# Altium PCB DM3390.PcbDoc (part 3 of 5) (continued)
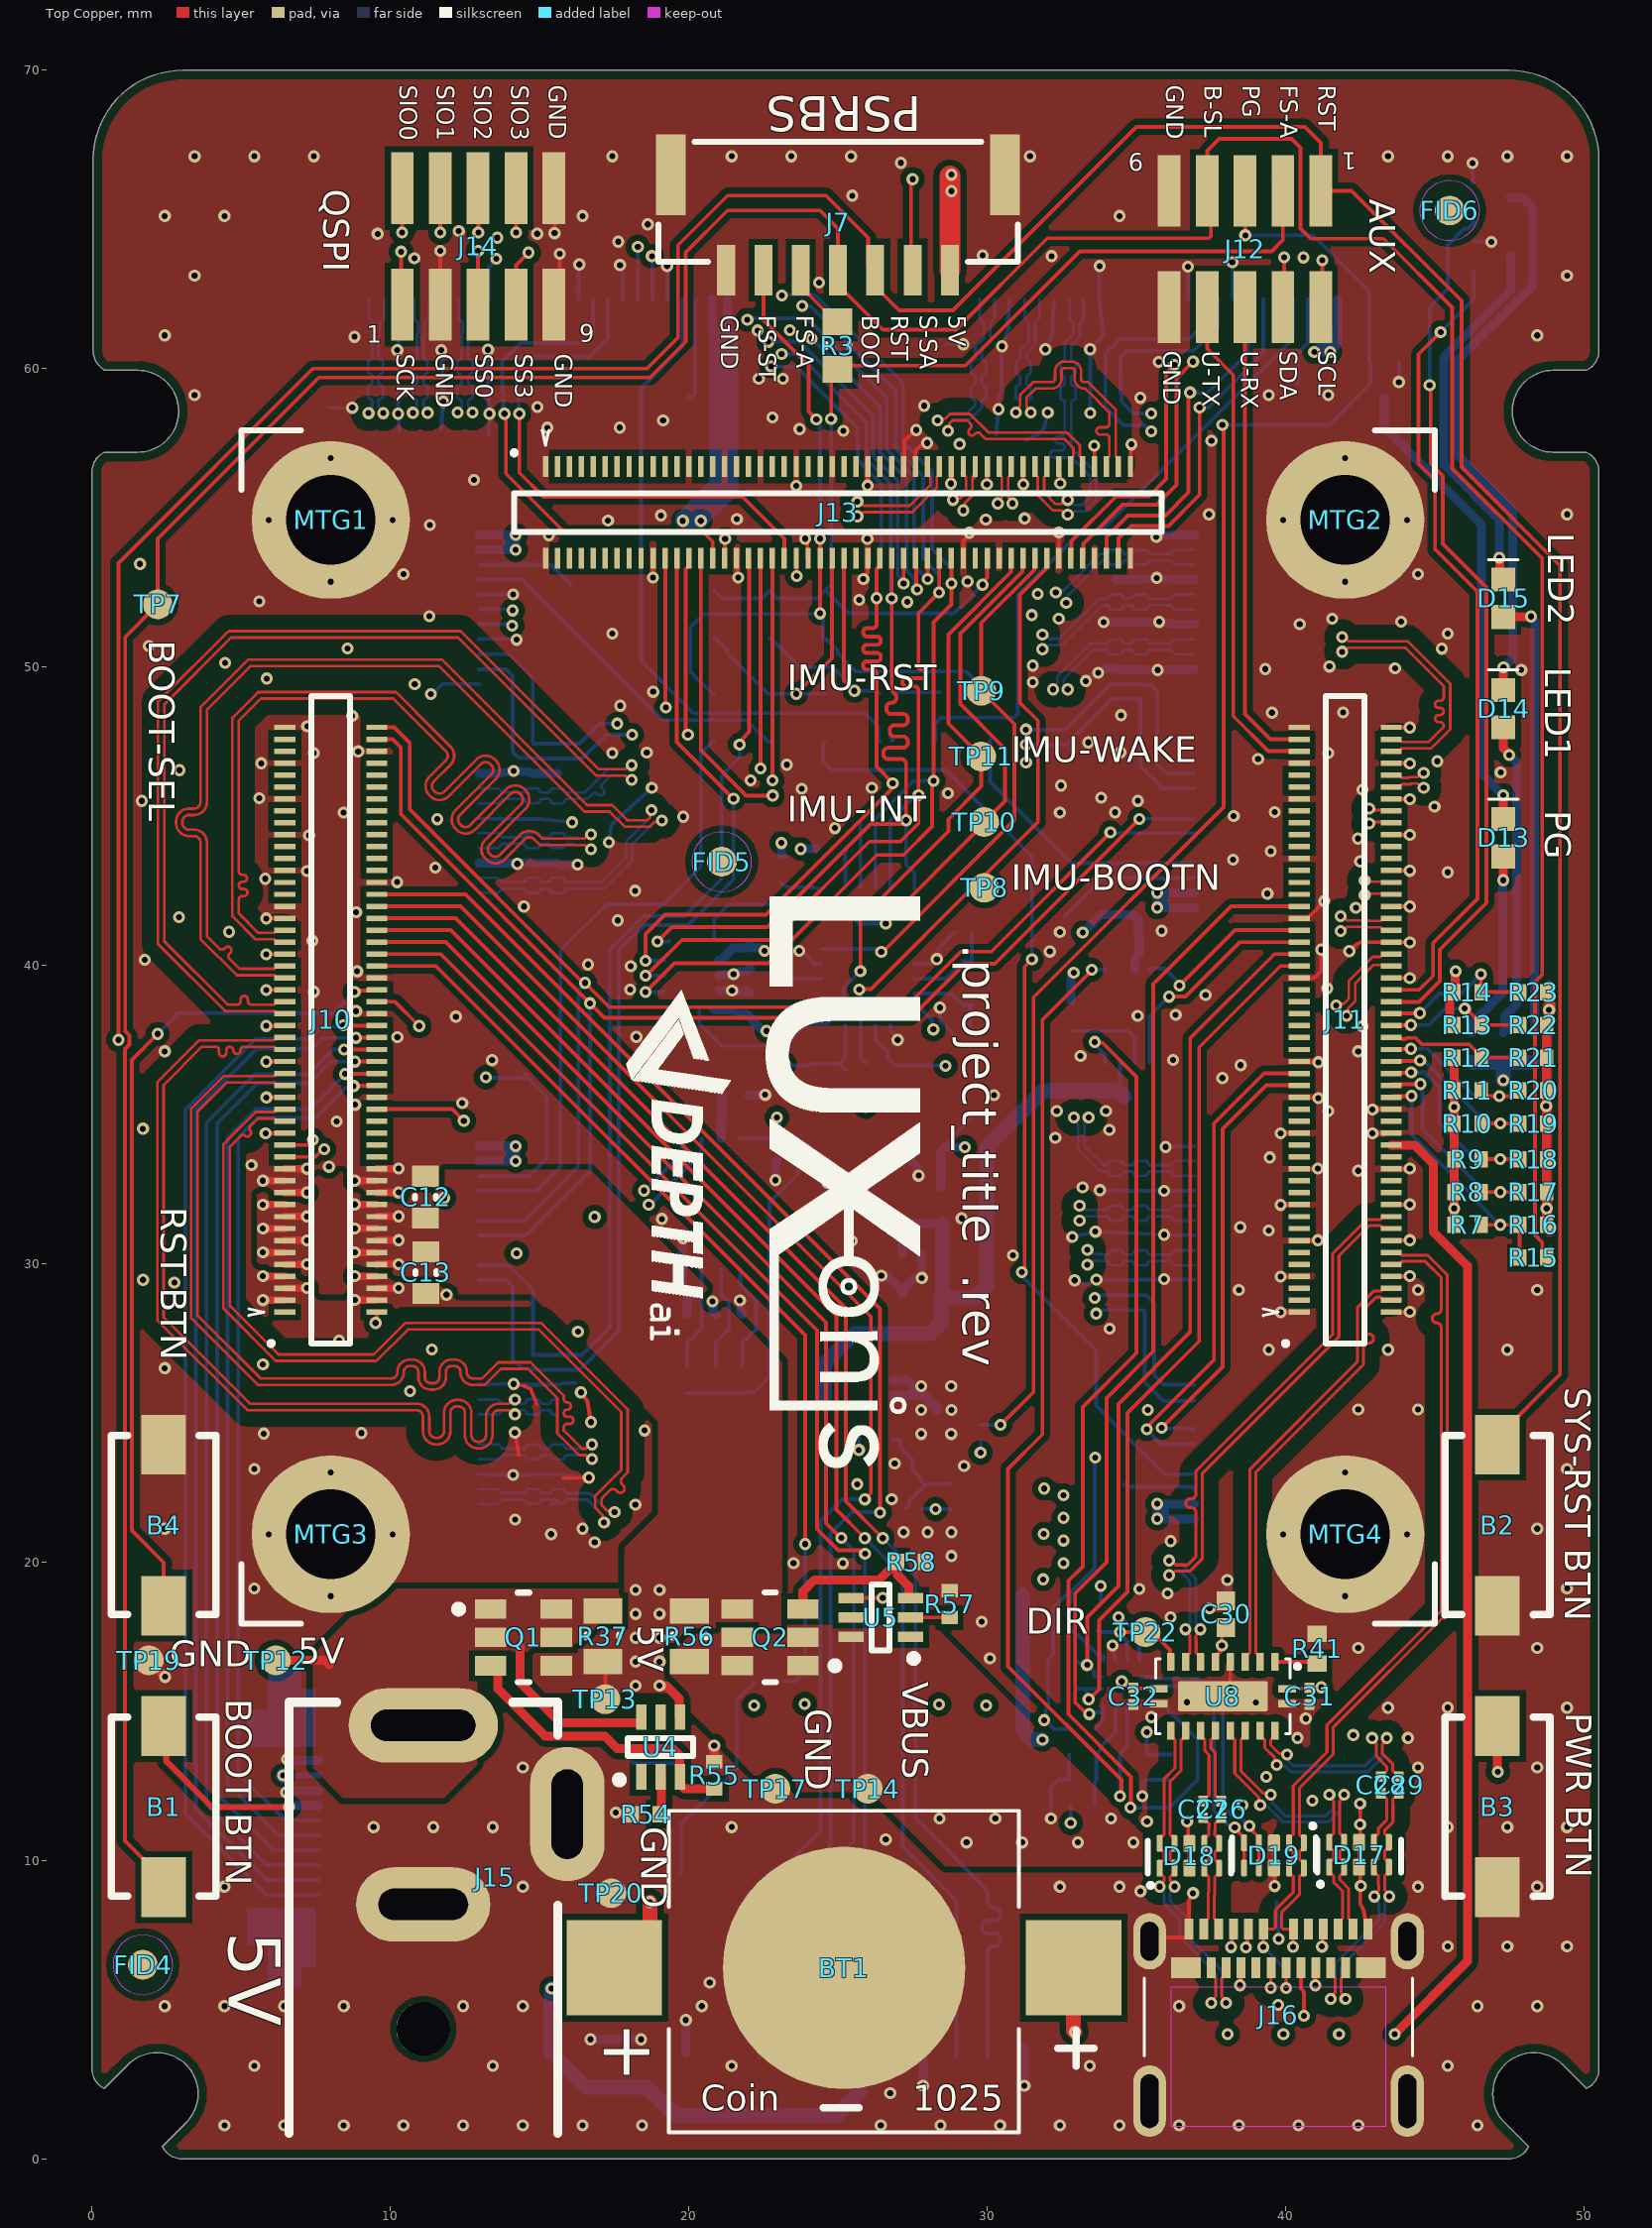
[diagram p0: Top Copper view]
## Nets (pads, with @x,y where several pads share a name; then routed paths per layer and width w, separated by ;. In a path a pad name is that pad's centre, name@x,y a point inside that pad or via, vN(x,y) a via of type N, cw(c..) or ccw(c..) an arc to the next point about the centre after c; other vN are vias at no path point) (continued)
  other v2: 35.1,19.1 25.16,19.955 28.8,20.2 27.2,21 28,21 28.8,21 26.9,23.3 27.793,24.293 28.793,24.293 27.793,25.093 28.8,25.1 27.793,25.893 28.793,25.893
I2C0_SCL: J10.27 U1.6 | length 16
  Top Copper w0.127: J10.27@6.46,33.578 7.479,33.578 7.735,33.833 v1(7.78,33.833)
  Layer 2 w0.127: v1(7.78,33.833) 7.81,33.803 11.997,33.803 13.82,31.98 v1(18.657,31.98)
  Bottom Layer w0.127: v1(18.657,31.98) 18.693,31.98 20.425,33.712 U1.6@20.425,34.2
I2C0_SDA: J10.29 U1.5 | length 15.2
  Top Copper w0.127: J10.29@6.46,33.978 7.228,33.978 v1(7.4,34.15)
  Layer 2 w0.127: v1(7.4,34.15) 7.451,34.201 12.199,34.201 13.95,32.45 v1(18.5,32.45)
  Bottom Layer w0.127: v1(18.5,32.45) 18.525,32.45 19.775,33.7 U1.5@19.775,34.2
I2C1_SCL: J1.20 J5.20 J11.39 | length 56.7
  Top Copper w0.127: v1(35.85,24.5) 37.897,26.547 37.897,34.519 39.355,35.977 J11.39@40.46,35.977
  Layer 2 w0.127: v1(14.076,51.386) 14.714,51.386 16.4,49.7 16.4,45.869 20.074,42.195 20.074,33.926 26.975,27.025 32.175,27.025 35.118,24.082 35.503,24.082 35.85,24.429 v1(35.85,24.5)
  Bottom Layer w0.127: J1.20@12.96,51.43 14.032,51.43 v1(14.076,51.386) ; v1(35.85,24.5) 35.878,24.472 36.909,24.472 J5.20@36.936,24.445
I2C1_SDA: J1.21 J5.21 J11.41 | length 57.4
  Top Copper w0.127: v1(35.35,24.45) 35.35,24.521 37.6,26.771 37.6,34.7 39.277,36.377 J11.41@40.46,36.377
  Layer 2 w0.127: v1(14.094,51.894) 14.706,51.894 16.7,49.9 16.7,46.1 20.449,42.351 20.449,34.051 27.1,27.4 32.4,27.4 v1(35.35,24.45)
  Bottom Layer w0.127: J1.21@12.96,51.93 14.058,51.93 v1(14.094,51.894) ; v1(35.35,24.45) 35.35,24.432 35.744,24.037 35.744,24.035 35.834,23.945 J5.21@36.936,23.945
I2C2_SCL: J3.20 J4.20 J10.98 | length 45.6
  Top Copper w0.127: J10.98@9.54,47.578 10.072,47.578 10.35,47.3 10.35,45.065 17.173,38.242 27.442,38.242 29.254,40.054 30.254,40.054 v1(35.1,44.9)
  Bottom Layer w0.127: J3.20@12.96,30.945 14.545,30.945 16.687,33.087 v1(16.687,38.728) ; v1(35.1,44.9) 35.115,44.915 36.921,44.915 J4.20@36.936,44.93
I2C2_SDA: J3.21 J4.21 J10.100 | length 45.4
  Top Copper w0.127: J10.100@9.54,47.978 10.122,47.978 10.65,47.45 10.65,45.221 16.46,39.411 v1(16.525,39.411) 17.336,38.6 27.263,38.6 29.122,40.459 30.138,40.459 v1(34.131,44.452)
  Bottom Layer w0.127: J3.21@12.96,31.445 14.495,31.445 16.295,33.245 16.295,39.181 v1(16.525,39.411) ; v1@34.131,44.43 J4.21@36.936,44.43
I2C3_SCL: J2.20 J6.20 J13.96 | length 34.2
  Top Copper w0.127: J13.96@34,53.638 34,54.362 34.714,55.076 35.976,55.076 36.75,55.85 36.75,59.15 v1(36.8,59.2)
  Layer 2 w0.127: v1(18.29,64.08) 18.343,64.133 18.603,64.133 18.719,64.25 24.13,64.25 26.83,61.55 33.877,61.55 36.227,59.2 v1(36.8,59.2)
  Bottom Layer w0.127: J2.20@18.287,62.325 18.288,62.326 18.288,64.078 v1(18.29,64.08) ; v1(36.8,59.2) 36.815,59.185 37.385,59.185 38.75,60.55 J6.20@38.75,62.325
I2C3_SDA: J2.21 J6.21 J13.98 | length 33.7
  Top Copper w0.127: J13.98@34.4,53.638 34.4,54.305 34.825,54.729 36.079,54.729 37.118,55.768 v1(37.118,58.7)
  Layer 2 w0.127: v1(18.76,63.77) 18.836,63.77 19.026,63.96 24.01,63.96 26.71,61.26 33.674,61.26 36.234,58.7 v1(37.118,58.7)
  Bottom Layer w0.127: v1(18.76,63.77) 18.773,63.756 18.773,62.338 J2.21@18.787,62.325 ; v1(37.118,58.7) 37.12,58.701 37.42,58.701 39.25,60.532 J6.21@39.25,62.325
I2C4_SCL: J12.2 J13.90 | length 16.8
  Top Copper w0.127: J13.90@32.8,53.638 32.826,53.664 32.826,54.226 34.325,55.725 35.425,55.725 36,56.3 36,59.853 v1(36.274,60.126) ; J12.2@41.182,62.059 41.236,62.113 v1(41.236,63.636)
  Layer 2 w0.127: v1(36.274,60.126) 36.305,60.126 36.568,59.863 37.463,59.863 v1(41.236,63.636)
I2C4_SDA: J12.4 J13.92 | length 15.4
  Top Copper w0.127: J13.92@33.2,53.638 33.226,53.664 33.226,54.126 34.535,55.435 35.685,55.435 36.35,56.1 36.35,59.682 v1(36.9,60.232) ; J12.4@39.912,62.059 39.95,62.097 v1(39.95,63.73)
  Layer 2 w0.127: v1(36.9,60.232) 36.906,60.238 37.196,60.238 39.95,62.992 v1(39.95,63.73)
IMU_BOOTN: J13.86 R34.1 TP8.1 U2.4 | length 20.3
  Top Copper w0.127: v1(25.715,39.185) 25.737,39.208 26.108,39.208 29.7,42.8 30.2,43.3 31.7,44.8 31.7,48.2 31.1,48.8 31.1,52.42 31.973,53.293 31.973,53.611 J13.86@32,53.638
  Bottom Layer w0.127: v1(25.715,39.185) 25.75,39.15 U2.4@25.75,37.987 25.75,36.911 25.911,36.75 R34.1@25.95,36.75
IMU_INT: J13.82 TP10.1 U2.14 U3.4 | length 22.6
  Top Copper w0.127: v1(26.6,41.4) 26.6,41.45 29.9,44.75 TP10.1@29.9,44.8 30.6,45.5 30.6,47.254 29.1,48.754 29.1,51.12 31.181,53.201 31.181,53.619 J13.82@31.2,53.638 ; TP10.1@30.1,44.6 TP10.1@30.25,44.75
  Bottom Layer w0.127: U3.4@20.85,40.825 20.85,41.55 21.35,42.05 U2.14@24.437,42.05 25.05,42.05 25.707,41.393 26.593,41.393 v1(26.6,41.4)
IMU_RST: J13.84 TP9.1 U2.11 | length 18.1
  Top Copper w0.127: v1(26.45,40.45) 26.5,40.45 30.916,44.866 30.916,48.084 TP9.1@29.8,49.2 29.8,51.477 31.573,53.25 31.573,53.611 J13.84@31.6,53.638
  Bottom Layer w0.127: U2.11@24.437,40.55 v1@26.274,40.55
IMU_WAKE: J13.80 TP11.1 U2.6 U3.9 | length 24.4
  Top Copper w0.127: v1(25.75,39.8) 25.75,41.55 28.697,44.497 28.697,44.897 29.8,46 TP11.1@29.8,47 28.697,48.103 28.697,51.088 30.795,53.187 30.795,53.633 J13.80@30.8,53.638
  Bottom Layer w0.127: U3.9@20.35,38.5 20.35,38.05 21.1,37.3 23.2,37.3 23.95,38.05 24.65,38.05 25.2,38.6 25.2,39.25 v1(25.75,39.8)
KB_PG: J10.36 J12.5 M1.1 U6.9 | length 78.2
  Top Copper w0.127: J10.36@9.54,35.178 12.071,35.178 v1(12.46,34.789) ; v1(30.45,24.6) 31.55,25.7 31.55,38.929 37.928,45.307 37.928,58.065 v1(37.882,58.111) ; J12.5@38.642,65.959 38.65,65.951 v1(38.65,64.468)
  Layer 2 w0.127: v1(12.46,34.789) 12.487,34.762 12.487,34.513 14.1,32.9 19.6,32.9 26.19,26.31 29.49,26.31 30.45,25.35 v1(30.45,24.6)
  Bottom Layer w0.127: U6.9@29.791,24.587 29.798,24.594 30.444,24.594 v1(30.45,24.6) ; v1(37.882,58.111) 41.461,58.111 42.85,59.5 42.85,60.159 M1.1@42.8,60.209 42.8,62.592 40.924,64.468 v1(38.65,64.468)
KB_USB_CM: J11.63 U10.5 | length 7.6
  Top Copper w0.127: v1(36.1,38.95) 36.65,38.95 38.477,40.777 J11.63@40.46,40.777
  Bottom Layer w0.127: U10.5@35.45,36.75 35.45,38.3 v1(36.1,38.95)
KB_USB_PORT: J11.65 U10.4 | length 6.1
  Top Copper w0.127: v1(36.45,39.318) 38.309,41.177 J11.65@40.46,41.177
  Bottom Layer w0.127: U10.4@35.45,39.85 35.486,39.85 35.536,39.9 35.944,39.9 36.45,39.394 v1(36.45,39.318)
LED1: J11.54 M2.1 | length 29.8
  Top Copper w0.127: J11.54@43.54,38.777 44.477,38.777 45.175,39.475 45.175,40.525 46.735,42.085 46.735,52.665 45.269,54.13 45.269,56.4 44.86,56.81 44.86,59.408 v1(44.828,59.44)
  Bottom Layer w0.127: v1(44.828,59.44) 44.828,62.068 45.434,62.674 45.434,64.138 45.986,64.69 46.124,64.69 46.32,64.886 46.32,65.217 M2.1@46.311,65.226
LED2: J11.56 M3.1 | length 27.4
  Top Copper w0.127: J11.56@43.54,39.177 44.477,39.177 44.946,39.646 44.946,40.746 46.428,42.228 46.428,52.522 45.01,53.94 45.01,56.26 44.46,56.81 44.46,60.483 v1(45.197,61.22)
  Bottom Layer w0.127: v1(45.197,61.22) 46.311,62.334 M3.1@46.311,63.276
LX1: L1.1 U6.6 U6.7
MIPI_RX0__C_N: D7.5 D7.6 J4.8 J11.84 | length 25.7
  Top Copper w0.089: v1(42.8,44.755) 42.848,44.802 43.234,44.802 43.259,44.777 J11.84@43.54,44.777
  Layer 2 w0.102: v1(32.205,49.25) 32.263,49.192 32.263,49.046 32.271,49.038 32.271,47.315 33.311,46.275 35.229,46.275 35.462,46.275 ccw(c35.462,46.864) 36.051,46.864 36.051,47.059 cw(c36.277,47.059) 36.277,47.285 36.327,47.285 cw(c36.327,47.059) 36.553,47.059 36.553,45.874 ccw(c37.142,45.874) 37.142,45.285 37.193,45.285 ccw(c37.193,45.874) 37.782,45.874 37.782,46.824 cw(c38.008,46.824) 38.008,47.05 38.058,47.05 cw(c38.058,46.824) 38.284,46.824 38.284,46.049 ccw(c38.873,46.049) 38.873,45.46 38.923,45.46 ccw(c38.923,46.049) 39.512,46.049 cw(c39.738,46.049) 39.738,46.275 40.444,46.275 40.473,46.275 41.927,44.821 42.588,44.821 42.596,44.813 42.742,44.813 v1(42.8,44.755)
  Bottom Layer w0.089: v1(32.205,49.25) 32.205,49.321 32.344,49.461 32.344,49.676 33.456,50.788 34.014,50.788 34.069,50.843 34.069,50.875 34.124,50.93 34.483,50.93 34.538,50.875 34.538,50.843 34.594,50.788 34.849,50.788 34.904,50.843 34.904,50.875 34.959,50.93 D7.6@35.139,50.93 35.318,50.93 35.373,50.875 35.373,50.843 35.429,50.788 35.922,50.788 36.144,50.788 36.286,50.93 J4.8@36.936,50.93
MIPI_RX0__C_P: D7.4 D7.7 J4.9 J11.86 | length 25.6
  Top Copper w0.089: v1(42.8,45.25) 42.848,45.202 43.515,45.202 J11.86@43.54,45.177
  Layer 2 w0.102: v1(32.7,49.25) 32.642,49.192 32.642,49.07 32.642,49.046 32.634,49.038 32.634,48.857 ccw(c32.76,48.857) 32.76,48.731 cw(c32.76,48.605) 32.76,48.479 ccw(c32.76,48.353) 32.76,48.227 32.779,48.227 cw(c32.779,48.101) 32.779,47.975 32.76,47.975 ccw(c32.76,47.849) 32.634,47.849 32.634,47.546 32.634,47.466 33.462,46.638 35.229,46.638 35.462,46.638 ccw(c35.462,46.864) 35.688,46.864 35.688,47.059 cw(c36.277,47.059) 36.277,47.648 36.327,47.648 cw(c36.327,47.059) 36.916,47.059 36.916,45.874 ccw(c37.142,45.874) 37.142,45.648 37.193,45.648 ccw(c37.193,45.874) 37.418,45.874 37.418,46.824 cw(c38.008,46.824) 38.008,47.413 38.058,47.413 cw(c38.058,46.824) 38.647,46.824 38.647,46.049 ccw(c38.873,46.049) 38.873,45.823 38.923,45.823 ccw(c38.923,46.049) 39.149,46.049 cw(c39.738,46.049) 39.738,46.638 40.444,46.638 40.623,46.638 40.847,46.414 40.883,46.378 41.144,46.117 ccw(c41.234,46.206) 41.323,46.117 cw(c41.412,46.028) 41.501,46.117 cw(c41.412,46.028) 41.501,45.939 ccw(c41.59,45.85) 41.501,45.761 41.679,45.582 41.715,45.546 42.077,45.184 42.588,45.184 42.596,45.192 42.742,45.192 v1(42.8,45.25)
  Bottom Layer w0.089: v1(32.7,49.25) 32.7,49.321 32.56,49.461 32.56,49.586 33.546,50.572 34.014,50.572 34.069,50.516 34.069,50.485 34.124,50.43 34.483,50.43 34.538,50.485 34.538,50.516 34.594,50.572 34.849,50.572 34.904,50.516 34.904,50.485 34.959,50.43 D7.7@35.139,50.43 35.318,50.43 35.373,50.485 35.373,50.516 35.429,50.572 35.832,50.572 36.144,50.572 36.286,50.43 J4.9@36.936,50.43
MIPI_RX0__D0_N: D10.5 D10.6 J4.2 J11.96 | length 26.8
  Top Copper w0.089: v1(41.9,51.006) 41.971,51.006 42.111,50.866 44.089,50.866 45.516,49.439 45.516,47.911 44.875,47.269 43.892,47.269 43.8,47.177 J11.96@43.54,47.177
  Layer 2 w0.102: v1(32.3,52.5) 32.382,52.5 32.486,52.603 32.497,52.603 32.753,52.86 34.154,52.86 34.614,52.4 36.1,52.4 36.246,52.4 ccw(c36.247,52.953) 36.638,52.561 37.313,53.237 cw(c37.746,52.804) 38.117,53.29 38.125,53.29 38.27,53.145 38.27,53.137 cw(c37.785,52.765) 38.217,52.333 37.73,51.845 ccw(c37.906,51.67) 37.73,51.494 38.237,50.988 38.284,50.94 41.688,50.94 41.696,50.947 41.842,50.947 v1(41.9,51.006)
  Bottom Layer w0.089: v1(32.3,52.5) 32.35,52.55 32.548,52.55 33.785,53.788 34.021,53.788 34.077,53.843 34.077,53.875 34.132,53.93 D10.5@34.312,53.93 34.491,53.93 34.546,53.875 34.546,53.843 34.602,53.788 34.856,53.788 34.912,53.843 34.912,53.875 34.967,53.93 D10.6@35.147,53.93 35.326,53.93 35.381,53.875 35.381,53.843 35.437,53.788 35.914,53.788 36.144,53.788 36.286,53.93 J4.2@36.936,53.93
MIPI_RX0__D0_P: D10.4 D10.7 J4.3 J11.98 | length 26.8
  Top Copper w0.089: v1(41.9,50.51) 41.971,50.51 42.111,50.65 44,50.65 45.3,49.35 45.3,49.27 45.3,48.987 cw(c45.181,48.987) 45.181,48.868 45.129,48.868 ccw(c45.129,48.748) 45.01,48.748 ccw(c45.129,48.748) 45.129,48.629 45.181,48.629 cw(c45.181,48.509) 45.3,48.509 cw(c45.181,48.509) 45.181,48.39 45.129,48.39 ccw(c45.129,48.27) 45.01,48.27 ccw(c45.129,48.27) 45.129,48.151 45.181,48.151 cw(c45.181,48.032) 45.3,48.032 45.3,48 45.135,47.835 44.785,47.485 43.892,47.485 43.8,47.577 J11.98@43.54,47.577
  Layer 2 w0.102: v1(32.65,52.15) 32.65,52.232 32.753,52.335 32.753,52.346 32.9,52.493 32.904,52.496 33.203,52.496 cw(c33.203,52.394) 33.305,52.394 33.305,52.298 ccw(c33.393,52.298) 33.393,52.21 33.469,52.21 ccw(c33.469,52.298) 33.557,52.298 33.557,52.394 cw(c33.659,52.394) 33.659,52.496 33.836,52.496 34.004,52.496 34.463,52.037 35.737,52.037 36.246,52.037 ccw(c36.247,52.953) 36.894,52.304 37.57,52.98 cw(c37.746,52.804) 37.922,52.979 ; 37.922,52.979 37.959,52.942 cw(c37.785,52.765) 37.96,52.59 37.473,52.102 ccw(c37.906,51.67) 37.474,51.236 37.98,50.731 38.134,50.576 41.688,50.576 41.696,50.569 41.842,50.569 v1(41.9,50.51)
  Bottom Layer w0.089: v1(32.65,52.15) 32.701,52.2 32.701,52.398 33.875,53.572 34.021,53.572 34.077,53.516 34.077,53.485 34.132,53.43 D10.4@34.312,53.43 34.491,53.43 34.546,53.485 34.546,53.516 34.602,53.572 34.856,53.572 34.912,53.516 34.912,53.485 34.967,53.43 D10.7@35.147,53.43 35.326,53.43 35.381,53.485 35.381,53.516 35.437,53.572 36.003,53.572 36.144,53.572 36.286,53.43 J4.3@36.936,53.43
MIPI_RX0__D1_N: D10.2 D10.9 J4.5 J11.90 | length 25.8
  Top Copper w0.089: J11.90@43.54,45.977 43.8,45.977 43.892,46.069 44.184,46.069 44.207,46.093 44.42,46.093 44.56,45.953 v1(44.631,45.953)
  Layer 2 w0.102: v1(31.85,51.09) 31.908,51.031 32.054,51.031 32.062,51.024 33.495,51.024 35.872,51.024 37.482,49.413 42.387,49.413 44.65,49.413 46.013,48.05 46.013,46.657 45.309,45.953 v1(44.631,45.953)
  Bottom Layer w0.089: v1(31.85,51.09) 31.936,51.09 32.076,50.95 32.42,50.95 33.758,52.288 34.021,52.288 34.077,52.343 34.077,52.375 34.132,52.43 D10.2@34.312,52.43 34.491,52.43 34.546,52.375 34.546,52.343 34.602,52.288 34.856,52.288 34.912,52.343 34.912,52.375 34.967,52.43 D10.9@35.147,52.43 35.326,52.43 35.381,52.375 35.381,52.343 35.437,52.288 35.832,52.288 36.144,52.288 36.286,52.43 J4.5@36.936,52.43
MIPI_RX0__D1_P: D10.1 D10.10 J4.6 J11.92 | length 25.8
  Top Copper w0.089: J11.92@43.54,46.377 43.8,46.377 43.892,46.285 44.094,46.285 44.118,46.309 44.42,46.309 44.56,46.448 v1(44.631,46.448)
  Layer 2 w0.102: v1(31.85,50.594) 31.908,50.653 32.054,50.653 32.062,50.66 32.221,50.66 32.524,50.66 cw(c32.524,50.534) 32.65,50.534 32.65,50.496 ccw(c32.776,50.496) 32.902,50.496 32.902,50.534 cw(c33.028,50.534) 33.028,50.66 33.495,50.66 35.721,50.66 37.331,49.05 42.387,49.05 42.69,49.05 cw(c42.69,48.924) 42.816,48.924 42.816,48.83 ccw(c42.942,48.83) 43.068,48.83 43.068,48.924 cw(c43.194,48.924) 43.194,49.05 44.5,49.05 44.81,48.74 45.558,47.992 45.65,47.9 45.65,47.752 cw(c45.524,47.752) 45.524,47.626 45.486,47.626 ccw(c45.486,47.5) 45.486,47.374 45.524,47.374 cw(c45.524,47.248) 45.65,47.248 45.65,46.995 45.65,46.808 45.225,46.382 45.002,46.382 44.987,46.397 44.682,46.397 v1(44.631,46.448)
  Bottom Layer w0.089: v1(31.85,50.594) 31.936,50.594 32.076,50.734 32.51,50.734 33.848,52.072 34.021,52.072 34.077,52.016 34.077,51.985 34.132,51.93 D10.1@34.312,51.93 34.491,51.93 34.546,51.985 34.546,52.016 34.602,52.072 34.856,52.072 34.912,52.016 34.912,51.985 34.967,51.93 D10.10@35.147,51.93 35.326,51.93 35.381,51.985 35.381,52.016 35.437,52.072 35.922,52.072 36.144,52.072 36.286,51.93 J4.6@36.936,51.93
MIPI_RX1_C_N: D8.5 D8.6 J5.8 J11.72 | length 27.8
  Top Copper w0.089: v1(42.65,42.35) 42.698,42.398 43.234,42.398 43.254,42.377 J11.72@43.54,42.377
  Layer 2 w0.102: v1(33.36,30.464) 33.302,30.406 33.156,30.406 33.148,30.398 32.238,30.398 32.06,30.576 32.024,30.612 31.846,30.791 cw(c31.935,30.88) 31.846,30.969 31.873,30.996 ccw(c31.784,31.085) 31.873,31.174 ccw(c31.784,31.085) 31.695,31.174 31.668,31.147 cw(c31.579,31.236) 31.489,31.147 31.35,31.287 31.35,31.717 31.35,33.62 31.35,33.923 cw(c31.476,33.923) 31.476,34.049 ccw(c31.476,34.175) 31.476,34.301 cw(c31.476,34.427) 31.476,34.553 ccw(c31.476,34.679) 31.476,34.805 cw(c31.476,34.931) 31.476,35.057 ccw(c31.476,35.183) 31.476,35.309 cw(c31.476,35.435) 31.35,35.435 31.35,35.773 31.35,36.236 33.357,38.243 34.243,38.243 38.9,42.9 41.55,42.9 42.034,42.416 42.438,42.416 42.446,42.408 42.592,42.408 v1(42.65,42.35)
  Bottom Layer w0.089: v1(33.36,30.464) 33.432,30.464 33.571,30.325 33.807,30.325 33.829,30.303 34.023,30.303 34.079,30.358 34.079,30.39 34.134,30.445 D8.5@34.313,30.445 34.493,30.445 34.548,30.39 34.548,30.358 34.603,30.303 34.858,30.303 34.914,30.358 34.914,30.39 34.969,30.445 D8.6@35.148,30.445 35.328,30.445 35.383,30.39 35.383,30.358 35.438,30.303 35.922,30.303 36.144,30.303 36.286,30.445 J5.8@36.936,30.445
MIPI_RX1_C_P: D8.4 D8.7 J5.9 J11.74 | length 27.8
  Top Copper w0.089: v1(42.65,42.845) 42.698,42.798 43.519,42.798 J11.74@43.54,42.777
  Layer 2 w0.102: v1(33.36,29.969) 33.302,30.027 33.156,30.027 33.148,30.035 32.088,30.035 30.987,31.136 30.987,36.387 33.206,38.606 34.093,38.606 38.749,43.263 41.7,43.263 42.185,42.779 42.438,42.779 42.446,42.787 42.592,42.787 v1(42.65,42.845)
  Bottom Layer w0.089: v1(33.36,29.969) 33.432,29.969 33.571,30.109 33.718,30.109 33.74,30.087 34.023,30.087 34.079,30.031 34.079,30 34.134,29.945 D8.4@34.313,29.945 34.493,29.945 34.548,30 34.548,30.031 34.603,30.087 34.858,30.087 34.914,30.031 34.914,30 34.969,29.945 D8.7@35.148,29.945 35.328,29.945 35.383,30 35.383,30.031 35.438,30.087 35.832,30.087 36.144,30.087 36.286,29.945 J5.9@36.936,29.945
MIPI_RX1_D0_N: D11.5 D11.6 J5.2 J11.66 | length 28.1
  Top Copper w0.089: v1(41.85,41.15) 41.921,41.15 42.061,41.29 42.703,41.29 42.724,41.269 43.188,41.269 43.28,41.177 J11.66@43.54,41.177
  Layer 2 w0.102: v1(33.4,34.9) 33.342,34.958 33.342,35.104 33.334,35.112 33.334,35.52 33.777,35.964 33.992,36.178 cw(c34.081,36.089) 34.17,36.178 34.184,36.164 ccw(c34.273,36.253) 34.362,36.164 ccw(c34.273,36.253) 34.362,36.342 34.348,36.356 cw(c34.437,36.445) 34.348,36.534 cw(c34.437,36.445) 34.526,36.534 ccw(c34.615,36.623) 34.704,36.534 ccw(c34.615,36.623) 34.704,36.712 cw(c34.794,36.801) 34.704,36.891 cw(c34.794,36.801) 34.883,36.891 ccw(c34.972,36.98) 35.061,36.891 ccw(c34.972,36.98) 35.061,37.069 cw(c35.15,37.158) 35.061,37.247 35.27,37.456 35.354,37.456 36.466,37.456 36.668,37.456 36.671,37.458 37.344,38.131 cw(c37.503,37.972) 37.663,38.131 38.516,37.278 ccw(c38.933,37.694) 39.35,37.278 39.386,37.313 ccw(c38.969,37.73) 39.439,38.085 39.439,38.093 37.83,39.702 cw(c37.99,39.861) 37.83,40.021 37.866,40.057 cw(c38.025,39.897) 38.185,40.057 ; 38.186,40.056 39.699,38.543 ccw(c40.115,38.96) 40.532,38.543 40.567,38.579 ccw(c40.151,38.995) 40.567,39.412 40.009,39.97 39.756,40.224 cw(c39.915,40.384) 39.756,40.543 40.428,41.216 40.432,41.216 41.638,41.216 41.646,41.208 41.792,41.208 v1(41.85,41.15)
  Bottom Layer w0.089: v1(33.4,34.9) 33.4,34.829 33.26,34.689 33.26,33.938 33.896,33.303 34.023,33.303 34.079,33.358 34.079,33.39 34.134,33.445 D11.5@34.313,33.445 34.493,33.445 34.548,33.39 34.548,33.358 34.603,33.303 34.858,33.303 34.914,33.358 34.914,33.39 34.969,33.445 D11.6@35.148,33.445 35.328,33.445 35.383,33.39 35.383,33.358 35.438,33.303 35.914,33.303 36.144,33.303 36.286,33.445 J5.2@36.936,33.445
MIPI_RX1_D0_P: D11.4 D11.7 J5.3 J11.68 | length 28.2
  Top Copper w0.089: v1(41.85,41.645) 41.921,41.645 42.061,41.506 42.793,41.506 42.813,41.485 43.188,41.485 43.28,41.577 J11.68@43.54,41.577
  Layer 2 w0.102: v1(32.905,34.9) 32.963,34.958 32.963,35.104 32.971,35.112 32.971,35.671 35.119,37.819 36.102,37.819 36.518,37.819 36.52,37.822 37.087,38.388 cw(c37.503,37.972) 37.92,38.388 38.774,37.534 ccw(c38.933,37.694) 39.093,37.534 39.129,37.57 ccw(c38.969,37.73) 39.128,37.89 ; 39.128,37.89 37.574,39.444 cw(c37.99,39.861) 37.573,40.278 37.609,40.314 cw(c38.025,39.897) 38.381,40.367 38.389,40.367 38.915,39.841 39.956,38.8 ccw(c40.115,38.96) 40.275,38.8 40.311,38.836 ccw(c40.151,38.995) 40.311,39.155 39.499,39.967 cw(c39.915,40.384) 39.499,40.8 40.173,41.475 40.171,41.476 40.274,41.579 41.638,41.579 41.646,41.587 41.792,41.587 v1(41.85,41.645)
  Bottom Layer w0.089: v1(32.905,34.9) 32.905,34.829 33.044,34.689 33.044,33.849 33.806,33.087 34.023,33.087 34.079,33.031 34.079,33 34.134,32.945 D11.4@34.313,32.945 34.493,32.945 34.548,33 34.548,33.031 34.603,33.087 34.858,33.087 34.914,33.031 34.914,33 34.969,32.945 D11.7@35.148,32.945 35.328,32.945 35.383,33 35.383,33.031 35.438,33.087 36.003,33.087 36.144,33.087 36.286,32.945 J5.3@36.936,32.945
MIPI_RX1_D1_N: D11.2 D11.9 J5.5 J11.60 | length 28.1
  Top Copper w0.089: v1(42.044,38.309) 42.095,38.359 42.095,38.557 42.338,38.8 42.338,39.4 42.952,40.014 43.503,40.014 J11.60@43.54,39.977
  Layer 2 w0.102: v1(33.099,31.942) 33.041,31.884 32.895,31.884 32.887,31.876 32.743,31.876 32.398,32.221 32.398,33.062 32.861,33.525 34.425,33.525 34.606,33.706 34.821,33.921 cw(c34.91,33.831) 34.999,33.921 35.026,33.894 ccw(c35.115,33.983) 35.204,33.894 ccw(c35.115,33.983) 35.204,34.072 35.177,34.099 cw(c35.266,34.188) 35.177,34.277 cw(c35.266,34.188) 35.355,34.277 35.382,34.25 ccw(c35.471,34.339) 35.56,34.25 ccw(c35.471,34.339) 35.56,34.428 35.533,34.455 cw(c35.622,34.544) 35.533,34.633 cw(c35.622,34.544) 35.711,34.633 35.738,34.606 ccw(c35.827,34.695) 35.917,34.606 ccw(c35.827,34.695) 35.917,34.785 35.89,34.811 cw(c35.979,34.901) 35.89,34.99 36.213,35.313 36.293,35.393 36.306,35.406 37.095,35.406 cw(c37.095,35.045) 37.455,35.045 37.455,32.434 ccw(c38.18,32.434) 38.18,31.71 38.26,31.71 ccw(c38.26,32.434) 38.984,32.434 38.984,35.034 cw(c39.729,35.034) 39.203,35.561 ; 39.203,35.561 39.306,35.665 41.848,38.206 41.859,38.206 41.962,38.309 v1(42.044,38.309)
  Bottom Layer w0.089: v1(33.099,31.942) 33.17,31.942 33.31,31.803 34.023,31.803 34.079,31.858 34.079,31.89 34.134,31.945 D11.2@34.313,31.945 34.493,31.945 34.548,31.89 34.548,31.858 34.603,31.803 34.858,31.803 34.914,31.858 34.914,31.89 34.969,31.945 D11.9@35.148,31.945 35.328,31.945 35.383,31.89 35.383,31.858 35.438,31.803 35.832,31.803 36.144,31.803 36.286,31.945 J5.5@36.936,31.945
MIPI_RX1_D1_P: D11.1 D11.10 J5.6 J11.62 | length 28.2
  Top Copper w0.089: v1(41.694,38.659) 41.745,38.71 41.942,38.71 42.122,38.89 42.122,39.49 42.918,40.285 43.188,40.285 43.28,40.377 J11.62@43.54,40.377
  Layer 2 w0.102: v1(33.099,31.447) 33.041,31.505 32.895,31.505 32.887,31.513 32.592,31.513 32.035,32.071 32.035,33.213 32.71,33.888 34.274,33.888 36.155,35.769 36.306,35.769 37.095,35.769 cw(c37.095,35.045) 37.819,35.045 37.819,32.434 ccw(c38.18,32.434) 38.18,32.073 38.26,32.073 ccw(c38.26,32.434) 38.621,32.434 38.621,35.034 cw(c39.729,35.034) 38.945,35.817 ; 38.946,35.818 39.306,36.178 41.591,38.463 41.591,38.474 41.694,38.577 v1(41.694,38.659)
  Bottom Layer w0.089: v1(33.099,31.447) 33.17,31.447 33.31,31.587 34.023,31.587 34.079,31.531 34.079,31.5 34.134,31.445 D11.1@34.313,31.445 34.493,31.445 34.548,31.5 34.548,31.531 34.603,31.587 34.858,31.587 34.914,31.531 34.914,31.5 34.969,31.445 D11.10@35.148,31.445 35.328,31.445 35.383,31.5 35.383,31.531 35.438,31.587 35.922,31.587 36.144,31.587 36.286,31.445 J5.6@36.936,31.445